# Altium PCB PCIe_to_M2E.PcbDoc (part 6 of 6) (continued)
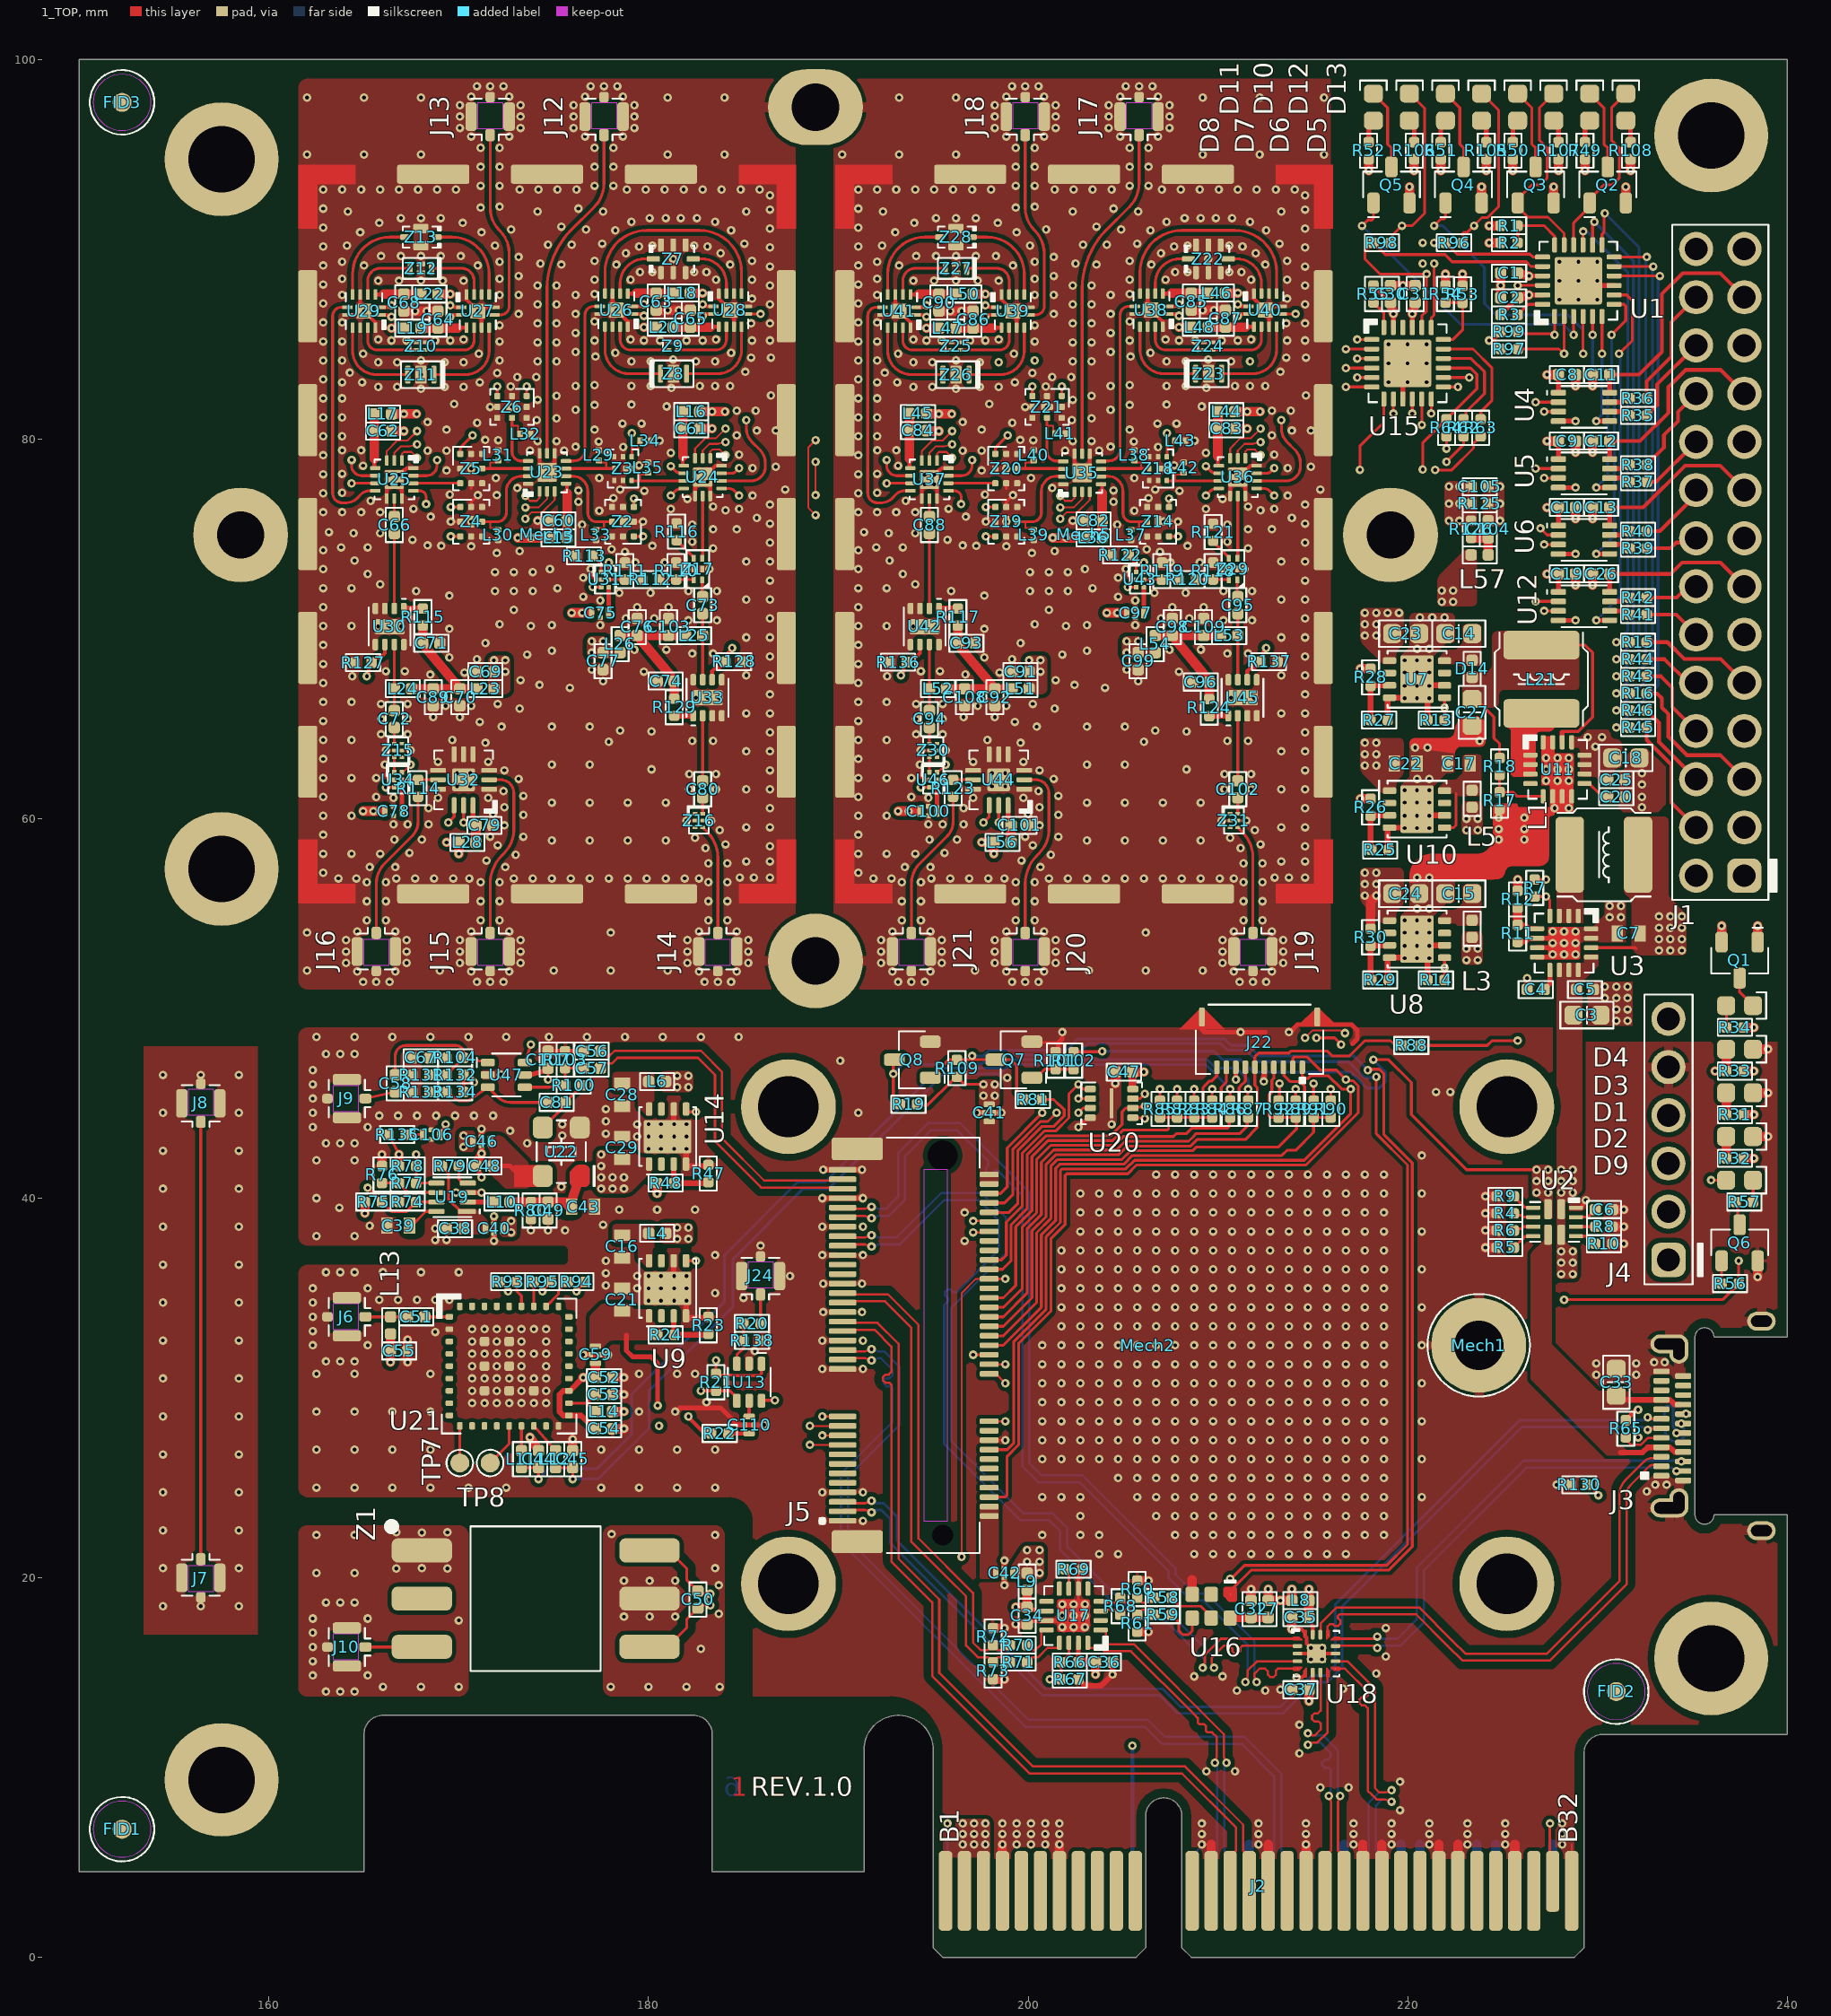
[diagram p0: 1_TOP view]
## Other copper (continued)
  pour cut-out: 210.275,84 210.125,84 ccw(c210.125,83.85) 209.975,83.85 209.975,83.05 ccw(c210.125,83.05) 210.125,82.9 210.275,82.9 ccw(c210.275,83.05) 210.425,83.05 210.425,83.85 ccw(c210.275,83.85)
  pour cut-out: 208.75,84 208.9,84 cw(c208.9,83.85) 209.05,83.85 209.05,83.05 cw(c208.9,83.05) 208.9,82.9 208.75,82.9 cw(c208.75,83.05) 208.6,83.05 208.6,83.85 cw(c208.75,83.85)
  pour cut-out: 207.535,77.7 207.535,77.95 ccw(c207.435,77.95) 207.435,78.05 207.185,78.05 ccw(c207.185,77.95) 207.085,77.95 207.085,77.7 ccw(c207.185,77.7) 207.185,77.6 207.435,77.6 ccw(c207.435,77.7)
  pour cut-out: 198.5,77.55 198.5,77.8 ccw(c198.4,77.8) 198.4,77.9 198.15,77.9 ccw(c198.15,77.8) 198.05,77.8 198.05,77.55 ccw(c198.15,77.55) 198.15,77.45 198.4,77.45 ccw(c198.4,77.55)
  pour cut-out: 199.65,78.325 199.65,78.575 ccw(c199.55,78.575) 199.55,78.675 199.3,78.675 ccw(c199.3,78.575) 199.2,78.575 199.2,78.325 ccw(c199.3,78.325) 199.3,78.225 199.55,78.225 ccw(c199.55,78.325)
  pour cut-out: 207.535,78.95 207.535,79.2 ccw(c207.435,79.2) 207.435,79.3 207.185,79.3 ccw(c207.185,79.2) 207.085,79.2 207.085,78.95 ccw(c207.185,78.95) 207.185,78.85 207.435,78.85 ccw(c207.435,78.95)
  pour cut-out: 206.615,78.325 206.615,78.575 ccw(c206.515,78.575) 206.515,78.675 206.265,78.675 ccw(c206.265,78.575) 206.165,78.575 206.165,78.325 ccw(c206.265,78.325) 206.265,78.225 206.515,78.225 ccw(c206.515,78.325)
  pour cut-out: 170.5,22.75 177.6,22.75 177.6,13.75 170.5,13.75
  text "2" at 184.167,8.5 h1
5_Signal:
  text "5" at 184.167,8.5 h1
3_Signal:
  pour cut-out: 163.35,15.8 163.35,16.9 cw(c163.5,16.9) 163.5,17.05 164.6,17.05 cw(c164.6,16.9) 164.75,16.9 164.75,16.75 ccw(c164.85,16.75) 164.85,16.65 165.3,16.65 cw(c165.3,16.5) 165.45,16.5 165.45,16.2 cw(c165.3,16.2) 165.3,16.05 164.85,16.05 ccw(c164.85,15.95) 164.75,15.95 164.75,15.8 cw(c164.6,15.8) 164.6,15.65 163.5,15.65 cw(c163.5,15.8)
  pour cut-out: 163.35,33.2 163.35,34.3 cw(c163.5,34.3) 163.5,34.45 164.6,34.45 cw(c164.6,34.3) 164.75,34.3 164.75,34.15 ccw(c164.85,34.15) 164.85,34.05 165.3,34.05 cw(c165.3,33.9) 165.45,33.9 165.45,33.6 cw(c165.3,33.6) 165.3,33.45 164.85,33.45 ccw(c164.85,33.35) 164.75,33.35 164.75,33.2 cw(c164.6,33.2) 164.6,33.05 163.5,33.05 cw(c163.5,33.2)
  pour cut-out: 163.35,44.7 163.35,45.8 cw(c163.5,45.8) 163.5,45.95 164.6,45.95 cw(c164.6,45.8) 164.75,45.8 164.75,45.65 ccw(c164.85,45.65) 164.85,45.55 165.3,45.55 cw(c165.3,45.4) 165.45,45.4 165.45,45.1 cw(c165.3,45.1) 165.3,44.95 164.85,44.95 ccw(c164.85,44.85) 164.75,44.85 164.75,44.7 cw(c164.6,44.7) 164.6,44.55 163.5,44.55 cw(c163.5,44.7)
  pour cut-out: 182.65,70 183.05,70 cw(c183.05,69.85) 183.2,69.85 183.2,69.45 cw(c183.05,69.45) 183.05,69.3 182.65,69.3 cw(c182.65,69.45) 182.5,69.45 182.5,69.85 cw(c182.65,69.85)
  pour cut-out: 166.4,67.2 166.8,67.2 cw(c166.8,67.05) 166.95,67.05 166.95,66.65 cw(c166.8,66.65) 166.8,66.5 166.4,66.5 cw(c166.4,66.65) 166.25,66.65 166.25,67.05 cw(c166.4,67.05)
  pour cut-out: 206.5,75.525 206.5,75.775 ccw(c206.4,75.775) 206.4,75.875 206.15,75.875 ccw(c206.15,75.775) 206.05,75.775 206.05,75.525 ccw(c206.15,75.525) 206.15,75.425 206.4,75.425 ccw(c206.4,75.525)
  pour cut-out: 206.615,78.325 206.615,78.575 ccw(c206.515,78.575) 206.515,78.675 206.265,78.675 ccw(c206.265,78.575) 206.165,78.575 206.165,78.325 ccw(c206.265,78.325) 206.265,78.225 206.515,78.225 ccw(c206.515,78.325)
  pour cut-out: 210.85,70 211.25,70 cw(c211.25,69.85) 211.4,69.85 211.4,69.45 cw(c211.25,69.45) 211.25,69.3 210.85,69.3 cw(c210.85,69.45) 210.7,69.45 210.7,69.85 cw(c210.85,69.85)
  pour cut-out: 194.6,67.2 195,67.2 cw(c195,67.05) 195.15,67.05 195.15,66.65 cw(c195,66.65) 195,66.5 194.6,66.5 cw(c194.6,66.65) 194.45,66.65 194.45,67.05 cw(c194.6,67.05)
  pour cut-out: 210.275,84 210.125,84 ccw(c210.125,83.85) 209.975,83.85 209.975,83.05 ccw(c210.125,83.05) 210.125,82.9 210.275,82.9 ccw(c210.275,83.05) 210.425,83.05 210.425,83.85 ccw(c210.275,83.85)
  pour cut-out: 208.75,84 208.9,84 cw(c208.9,83.85) 209.05,83.85 209.05,83.05 cw(c208.9,83.05) 208.9,82.9 208.75,82.9 cw(c208.75,83.05) 208.6,83.05 208.6,83.85 cw(c208.75,83.85)
  pour cut-out: 195.437,83.95 195.588,83.95 cw(c195.588,83.8) 195.738,83.8 195.738,83 cw(c195.588,83) 195.587,82.85 195.437,82.85 cw(c195.437,83) 195.287,83 195.287,83.8 cw(c195.437,83.8)
  pour cut-out: 196.962,83.95 196.812,83.95 ccw(c196.812,83.8) 196.662,83.8 196.662,83 ccw(c196.812,83) 196.812,82.85 196.962,82.85 ccw(c196.962,83) 197.112,83 197.112,83.8 ccw(c196.963,83.8)
  pour cut-out: 208.15,89.75 208.75,89.75 cw(c208.75,89.6) 208.9,89.6 208.9,89.4 cw(c208.75,89.4) 208.75,89.25 208.15,89.25 cw(c208.15,89.4) 208,89.4 208,89.6 cw(c208.15,89.6)
  pour cut-out: 210.85,89.75 210.25,89.75 ccw(c210.25,89.6) 210.1,89.6 210.1,89.4 ccw(c210.25,89.4) 210.25,89.25 210.85,89.25 ccw(c210.85,89.4) 211,89.4 211,89.6 ccw(c210.85,89.6)
  pour cut-out: 195.15,90.9 195.55,90.9 cw(c195.55,90.75) 195.7,90.75 195.7,90.55 cw(c195.55,90.55) 195.55,90.4 195.15,90.4 cw(c195.15,90.55) 195,90.55 195,90.75 cw(c195.15,90.75)
  pour cut-out: 197.25,90.9 196.85,90.9 ccw(c196.85,90.75) 196.7,90.75 196.7,90.55 ccw(c196.85,90.55) 196.85,90.4 197.25,90.4 ccw(c197.25,90.55) 197.4,90.55 197.4,90.75 ccw(c197.25,90.75)
  pour cut-out: 196.85,88.55 196.675,88.55 cw(c196.675,88.7) 196.525,88.7 196.525,89.3 cw(c196.675,89.3) 196.675,89.45 196.85,89.45 cw(c196.85,89.3) 197,89.3 197,88.7 cw(c196.85,88.7)
  pour cut-out: 195.55,88.55 195.725,88.55 ccw(c195.725,88.7) 195.875,88.7 195.875,89.3 ccw(c195.725,89.3) 195.725,89.45 195.55,89.45 ccw(c195.55,89.3) 195.4,89.3 195.4,88.7 ccw(c195.55,88.7)
  pour cut-out: 200.45,82.15 200.45,82.4 ccw(c200.35,82.4) 200.35,82.5 200.1,82.5 ccw(c200.1,82.4) 200,82.4 200,82.15 ccw(c200.1,82.15) 200.1,82.05 200.35,82.05 ccw(c200.35,82.15)
  pour cut-out: 202,82.15 202,82.4 ccw(c201.9,82.4) 201.9,82.5 201.65,82.5 ccw(c201.65,82.4) 201.55,82.4 201.55,82.15 ccw(c201.65,82.15) 201.65,82.05 201.9,82.05 ccw(c201.9,82.15)
  pour cut-out: 201.225,81 201.225,81.25 ccw(c201.125,81.25) 201.125,81.35 200.875,81.35 ccw(c200.875,81.25) 200.775,81.25 200.775,81 ccw(c200.875,81) 200.875,80.9 201.125,80.9 ccw(c201.125,81)
  pour cut-out: 198.5,79.1 198.5,79.35 ccw(c198.4,79.35) 198.4,79.45 198.15,79.45 ccw(c198.15,79.35) 198.05,79.35 198.05,79.1 ccw(c198.15,79.1) 198.15,79 198.4,79 ccw(c198.4,79.1)
  pour cut-out: 199.65,78.325 199.65,78.575 ccw(c199.55,78.575) 199.55,78.675 199.3,78.675 ccw(c199.3,78.575) 199.2,78.575 199.2,78.325 ccw(c199.3,78.325) 199.3,78.225 199.55,78.225 ccw(c199.55,78.325)
  pour cut-out: 198.5,77.55 198.5,77.8 ccw(c198.4,77.8) 198.4,77.9 198.15,77.9 ccw(c198.15,77.8) 198.05,77.8 198.05,77.55 ccw(c198.15,77.55) 198.15,77.45 198.4,77.45 ccw(c198.4,77.55)
  pour cut-out: 199.65,75.525 199.65,75.775 ccw(c199.55,75.775) 199.55,75.875 199.3,75.875 ccw(c199.3,75.775) 199.2,75.775 199.2,75.525 ccw(c199.3,75.525) 199.3,75.425 199.55,75.425 ccw(c199.55,75.525)
  pour cut-out: 198.5,76.3 198.5,76.55 ccw(c198.4,76.55) 198.4,76.65 198.15,76.65 ccw(c198.15,76.55) 198.05,76.55 198.05,76.3 ccw(c198.15,76.3) 198.15,76.2 198.4,76.2 ccw(c198.4,76.3)
  pour cut-out: 198.5,74.75 198.5,75 ccw(c198.4,75) 198.4,75.1 198.15,75.1 ccw(c198.15,75) 198.05,75 198.05,74.75 ccw(c198.15,74.75) 198.15,74.65 198.4,74.65 ccw(c198.4,74.75)
  pour cut-out: 207.65,74.75 207.65,75 ccw(c207.55,75) 207.55,75.1 207.3,75.1 ccw(c207.3,75) 207.2,75 207.2,74.75 ccw(c207.3,74.75) 207.3,74.65 207.55,74.65 ccw(c207.55,74.75)
  pour cut-out: 207.65,76.3 207.65,76.55 ccw(c207.55,76.55) 207.55,76.65 207.3,76.65 ccw(c207.3,76.55) 207.2,76.55 207.2,76.3 ccw(c207.3,76.3) 207.3,76.2 207.55,76.2 ccw(c207.55,76.3)
  pour cut-out: 207.535,77.7 207.535,77.95 ccw(c207.435,77.95) 207.435,78.05 207.185,78.05 ccw(c207.185,77.95) 207.085,77.95 207.085,77.7 ccw(c207.185,77.7) 207.185,77.6 207.435,77.6 ccw(c207.435,77.7)
  pour cut-out: 207.535,78.95 207.535,79.2 ccw(c207.435,79.2) 207.435,79.3 207.185,79.3 ccw(c207.185,79.2) 207.085,79.2 207.085,78.95 ccw(c207.185,78.95) 207.185,78.85 207.435,78.85 ccw(c207.435,78.95)
  pour cut-out: 212.4,52.25 211.3,52.25 cw(c211.3,52.4) 211.15,52.4 211.15,53.5 cw(c211.3,53.5) 211.3,53.65 211.45,53.65 ccw(c211.45,53.75) 211.55,53.75 211.55,54.2 cw(c211.7,54.2) 211.7,54.35 212,54.35 cw(c212,54.2) 212.15,54.2 212.15,53.75 ccw(c212.25,53.75) 212.25,53.65 212.4,53.65 cw(c212.4,53.5) 212.55,53.5 212.55,52.4 cw(c212.4,52.4)
  pour cut-out: 200.4,52.25 199.3,52.25 cw(c199.3,52.4) 199.15,52.4 199.15,53.5 cw(c199.3,53.5) 199.3,53.65 199.45,53.65 ccw(c199.45,53.75) 199.55,53.75 199.55,54.2 cw(c199.7,54.2) 199.7,54.35 200,54.35 cw(c200,54.2) 200.15,54.2 200.15,53.75 ccw(c200.25,53.75) 200.25,53.65 200.4,53.65 cw(c200.4,53.5) 200.55,53.5 200.55,52.4 cw(c200.4,52.4)
  pour cut-out: 199.3,97.75 200.4,97.75 cw(c200.4,97.6) 200.55,97.6 200.55,96.5 cw(c200.4,96.5) 200.4,96.35 200.25,96.35 ccw(c200.25,96.25) 200.15,96.25 200.15,95.8 cw(c200,95.8) 200,95.65 199.7,95.65 cw(c199.7,95.8) 199.55,95.8 199.55,96.25 ccw(c199.45,96.25) 199.45,96.35 199.3,96.35 cw(c199.3,96.5) 199.15,96.5 199.15,97.6 cw(c199.3,97.6)
  pour cut-out: 205.3,97.75 206.4,97.75 cw(c206.4,97.6) 206.55,97.6 206.55,96.5 cw(c206.4,96.5) 206.4,96.35 206.25,96.35 ccw(c206.25,96.25) 206.15,96.25 206.15,95.8 cw(c206,95.8) 206,95.65 205.7,95.65 cw(c205.7,95.8) 205.55,95.8 205.55,96.25 ccw(c205.45,96.25) 205.45,96.35 205.3,96.35 cw(c205.3,96.5) 205.15,96.5 205.15,97.6 cw(c205.3,97.6)
  pour cut-out: 210.85,72.1 211.25,72.1 cw(c211.25,71.9) 211.45,71.9 211.45,70.6 cw(c211.25,70.6) 211.25,70.4 210.85,70.4 cw(c210.85,70.6) 210.65,70.6 210.65,71.9 cw(c210.85,71.9)
  pour cut-out: 206.9,72.95 209.9,72.95 cw(c209.9,72.75) 210.1,72.75 210.1,72.45 cw(c209.9,72.45) 209.9,72.25 206.9,72.25 cw(c206.9,72.45) 206.7,72.45 206.7,72.75 cw(c206.9,72.75)
  pour cut-out: 211.25,60.7 210.85,60.7 cw(c210.85,60.9) 210.65,60.9 210.65,62.2 cw(c210.85,62.2) 210.85,62.4 211.25,62.4 cw(c211.25,62.2) 211.45,62.2 211.45,60.9 cw(c211.25,60.9)
  pour cut-out: 194.6,76.325 195,76.325 cw(c195,76.125) 195.2,76.125 195.2,74.825 cw(c195,74.825) 195,74.625 194.6,74.625 cw(c194.6,74.825) 194.4,74.825 194.4,76.125 cw(c194.6,76.125)
  pour cut-out: 195.95,62.4 196.35,62.4 cw(c196.35,62.25) 196.5,62.25 196.5,61.85 cw(c196.35,61.85) 196.35,61.7 195.95,61.7 cw(c195.95,61.85) 195.8,61.85 195.8,62.25 cw(c195.95,62.25)
  pour cut-out: 195,64.425 194.6,64.425 cw(c194.6,64.625) 194.4,64.625 194.4,65.925 cw(c194.6,65.925) 194.6,66.125 195,66.125 cw(c195,65.925) 195.2,65.925 195.2,64.625 cw(c195,64.625)
  pour cut-out: 194.4,52.25 193.3,52.25 cw(c193.3,52.4) 193.15,52.4 193.15,53.5 cw(c193.3,53.5) 193.3,53.65 193.45,53.65 ccw(c193.45,53.75) 193.55,53.75 193.55,54.2 cw(c193.7,54.2) 193.7,54.35 194,54.35 cw(c194,54.2) 194.15,54.2 194.15,53.75 ccw(c194.25,53.75) 194.25,53.65 194.4,53.65 cw(c194.4,53.5) 194.55,53.5 194.55,52.4 cw(c194.4,52.4)
  pour cut-out: 166.2,52.25 165.1,52.25 cw(c165.1,52.4) 164.95,52.4 164.95,53.5 cw(c165.1,53.5) 165.1,53.65 165.25,53.65 ccw(c165.25,53.75) 165.35,53.75 165.35,54.2 cw(c165.5,54.2) 165.5,54.35 165.8,54.35 cw(c165.8,54.2) 165.95,54.2 165.95,53.75 ccw(c166.05,53.75) 166.05,53.65 166.2,53.65 cw(c166.2,53.5) 166.35,53.5 166.35,52.4 cw(c166.2,52.4)
  pour cut-out: 166.8,64.425 166.4,64.425 cw(c166.4,64.625) 166.2,64.625 166.2,65.925 cw(c166.4,65.925) 166.4,66.125 166.8,66.125 cw(c166.8,65.925) 167,65.925 167,64.625 cw(c166.8,64.625)
  pour cut-out: 167.65,62.4 168.05,62.4 cw(c168.05,62.25) 168.2,62.25 168.2,61.85 cw(c168.05,61.85) 168.05,61.7 167.65,61.7 cw(c167.65,61.85) 167.5,61.85 167.5,62.25 cw(c167.65,62.25)
  pour cut-out: 166.4,76.325 166.8,76.325 cw(c166.8,76.125) 167,76.125 167,74.825 cw(c166.8,74.825) 166.8,74.625 166.4,74.625 cw(c166.4,74.825) 166.2,74.825 166.2,76.125 cw(c166.4,76.125)
  pour cut-out: 183.05,60.7 182.65,60.7 cw(c182.65,60.9) 182.45,60.9 182.45,62.2 cw(c182.65,62.2) 182.65,62.4 183.05,62.4 cw(c183.05,62.2) 183.25,62.2 183.25,60.9 cw(c183.05,60.9)
  pour cut-out: 178.6,72.95 181.6,72.95 cw(c181.6,72.75) 181.8,72.75 181.8,72.45 cw(c181.6,72.45) 181.6,72.25 178.6,72.25 cw(c178.6,72.45) 178.4,72.45 178.4,72.75 cw(c178.6,72.75)
  pour cut-out: 182.65,72.1 183.05,72.1 cw(c183.05,71.9) 183.25,71.9 183.25,70.6 cw(c183.05,70.6) 183.05,70.4 182.65,70.4 cw(c182.65,70.6) 182.45,70.6 182.45,71.9 cw(c182.65,71.9)
  pour cut-out: 177.1,97.75 178.2,97.75 cw(c178.2,97.6) 178.35,97.6 178.35,96.5 cw(c178.2,96.5) 178.2,96.35 178.05,96.35 ccw(c178.05,96.25) 177.95,96.25 177.95,95.8 cw(c177.8,95.8) 177.8,95.65 177.5,95.65 cw(c177.5,95.8) 177.35,95.8 177.35,96.25 ccw(c177.25,96.25) 177.25,96.35 177.1,96.35 cw(c177.1,96.5) 176.95,96.5 176.95,97.6 cw(c177.1,97.6)
  pour cut-out: 171.1,97.75 172.2,97.75 cw(c172.2,97.6) 172.35,97.6 172.35,96.5 cw(c172.2,96.5) 172.2,96.35 172.05,96.35 ccw(c172.05,96.25) 171.95,96.25 171.95,95.8 cw(c171.8,95.8) 171.8,95.65 171.5,95.65 cw(c171.5,95.8) 171.35,95.8 171.35,96.25 ccw(c171.25,96.25) 171.25,96.35 171.1,96.35 cw(c171.1,96.5) 170.95,96.5 170.95,97.6 cw(c171.1,97.6)
  pour cut-out: 172.2,52.25 171.1,52.25 cw(c171.1,52.4) 170.95,52.4 170.95,53.5 cw(c171.1,53.5) 171.1,53.65 171.25,53.65 ccw(c171.25,53.75) 171.35,53.75 171.35,54.2 cw(c171.5,54.2) 171.5,54.35 171.8,54.35 cw(c171.8,54.2) 171.95,54.2 171.95,53.75 ccw(c172.05,53.75) 172.05,53.65 172.2,53.65 cw(c172.2,53.5) 172.35,53.5 172.35,52.4 cw(c172.2,52.4)
  pour cut-out: 184.2,52.25 183.1,52.25 cw(c183.1,52.4) 182.95,52.4 182.95,53.5 cw(c183.1,53.5) 183.1,53.65 183.25,53.65 ccw(c183.25,53.75) 183.35,53.75 183.35,54.2 cw(c183.5,54.2) 183.5,54.35 183.8,54.35 cw(c183.8,54.2) 183.95,54.2 183.95,53.75 ccw(c184.05,53.75) 184.05,53.65 184.2,53.65 cw(c184.2,53.5) 184.35,53.5 184.35,52.4 cw(c184.2,52.4)
  pour cut-out: 178.415,78.325 178.415,78.575 ccw(c178.315,78.575) 178.315,78.675 178.065,78.675 ccw(c178.065,78.575) 177.965,78.575 177.965,78.325 ccw(c178.065,78.325) 178.065,78.225 178.315,78.225 ccw(c178.315,78.325)
  pour cut-out: 179.335,78.95 179.335,79.2 ccw(c179.235,79.2) 179.235,79.3 178.985,79.3 ccw(c178.985,79.2) 178.885,79.2 178.885,78.95 ccw(c178.985,78.95) 178.985,78.85 179.235,78.85 ccw(c179.235,78.95)
  pour cut-out: 179.335,77.7 179.335,77.95 ccw(c179.235,77.95) 179.235,78.05 178.985,78.05 ccw(c178.985,77.95) 178.885,77.95 178.885,77.7 ccw(c178.985,77.7) 178.985,77.6 179.235,77.6 ccw(c179.235,77.7)
  pour cut-out: 179.45,76.3 179.45,76.55 ccw(c179.35,76.55) 179.35,76.65 179.1,76.65 ccw(c179.1,76.55) 179,76.55 179,76.3 ccw(c179.1,76.3) 179.1,76.2 179.35,76.2 ccw(c179.35,76.3)
  pour cut-out: 178.3,75.525 178.3,75.775 ccw(c178.2,75.775) 178.2,75.875 177.95,75.875 ccw(c177.95,75.775) 177.85,75.775 177.85,75.525 ccw(c177.95,75.525) 177.95,75.425 178.2,75.425 ccw(c178.2,75.525)
  pour cut-out: 179.45,74.75 179.45,75 ccw(c179.35,75) 179.35,75.1 179.1,75.1 ccw(c179.1,75) 179,75 179,74.75 ccw(c179.1,74.75) 179.1,74.65 179.35,74.65 ccw(c179.35,74.75)
  pour cut-out: 170.3,74.75 170.3,75 ccw(c170.2,75) 170.2,75.1 169.95,75.1 ccw(c169.95,75) 169.85,75 169.85,74.75 ccw(c169.95,74.75) 169.95,74.65 170.2,74.65 ccw(c170.2,74.75)
  pour cut-out: 170.3,76.3 170.3,76.55 ccw(c170.2,76.55) 170.2,76.65 169.95,76.65 ccw(c169.95,76.55) 169.85,76.55 169.85,76.3 ccw(c169.95,76.3) 169.95,76.2 170.2,76.2 ccw(c170.2,76.3)
  pour cut-out: 171.45,75.525 171.45,75.775 ccw(c171.35,75.775) 171.35,75.875 171.1,75.875 ccw(c171.1,75.775) 171,75.775 171,75.525 ccw(c171.1,75.525) 171.1,75.425 171.35,75.425 ccw(c171.35,75.525)
  pour cut-out: 170.3,77.55 170.3,77.8 ccw(c170.2,77.8) 170.2,77.9 169.95,77.9 ccw(c169.95,77.8) 169.85,77.8 169.85,77.55 ccw(c169.95,77.55) 169.95,77.45 170.2,77.45 ccw(c170.2,77.55)
  pour cut-out: 171.45,78.325 171.45,78.575 ccw(c171.35,78.575) 171.35,78.675 171.1,78.675 ccw(c171.1,78.575) 171,78.575 171,78.325 ccw(c171.1,78.325) 171.1,78.225 171.35,78.225 ccw(c171.35,78.325)
  pour cut-out: 170.3,79.1 170.3,79.35 ccw(c170.2,79.35) 170.2,79.45 169.95,79.45 ccw(c169.95,79.35) 169.85,79.35 169.85,79.1 ccw(c169.95,79.1) 169.95,79 170.2,79 ccw(c170.2,79.1)
  pour cut-out: 173.025,81 173.025,81.25 ccw(c172.925,81.25) 172.925,81.35 172.675,81.35 ccw(c172.675,81.25) 172.575,81.25 172.575,81 ccw(c172.675,81) 172.675,80.9 172.925,80.9 ccw(c172.925,81)
  pour cut-out: 173.8,82.15 173.8,82.4 ccw(c173.7,82.4) 173.7,82.5 173.45,82.5 ccw(c173.45,82.4) 173.35,82.4 173.35,82.15 ccw(c173.45,82.15) 173.45,82.05 173.7,82.05 ccw(c173.7,82.15)
  pour cut-out: 172.25,82.15 172.25,82.4 ccw(c172.15,82.4) 172.15,82.5 171.9,82.5 ccw(c171.9,82.4) 171.8,82.4 171.8,82.15 ccw(c171.9,82.15) 171.9,82.05 172.15,82.05 ccw(c172.15,82.15)
  pour cut-out: 167.35,88.55 167.525,88.55 ccw(c167.525,88.7) 167.675,88.7 167.675,89.3 ccw(c167.525,89.3) 167.525,89.45 167.35,89.45 ccw(c167.35,89.3) 167.2,89.3 167.2,88.7 ccw(c167.35,88.7)
  pour cut-out: 168.65,88.55 168.475,88.55 cw(c168.475,88.7) 168.325,88.7 168.325,89.3 cw(c168.475,89.3) 168.475,89.45 168.65,89.45 cw(c168.65,89.3) 168.8,89.3 168.8,88.7 cw(c168.65,88.7)
  pour cut-out: 169.05,90.9 168.65,90.9 ccw(c168.65,90.75) 168.5,90.75 168.5,90.55 ccw(c168.65,90.55) 168.65,90.4 169.05,90.4 ccw(c169.05,90.55) 169.2,90.55 169.2,90.75 ccw(c169.05,90.75)
  pour cut-out: 166.95,90.9 167.35,90.9 cw(c167.35,90.75) 167.5,90.75 167.5,90.55 cw(c167.35,90.55) 167.35,90.4 166.95,90.4 cw(c166.95,90.55) 166.8,90.55 166.8,90.75 cw(c166.95,90.75)
  pour cut-out: 182.65,89.75 182.05,89.75 ccw(c182.05,89.6) 181.9,89.6 181.9,89.4 ccw(c182.05,89.4) 182.05,89.25 182.65,89.25 ccw(c182.65,89.4) 182.8,89.4 182.8,89.6 ccw(c182.65,89.6)
  pour cut-out: 179.95,89.75 180.55,89.75 cw(c180.55,89.6) 180.7,89.6 180.7,89.4 cw(c180.55,89.4) 180.55,89.25 179.95,89.25 cw(c179.95,89.4) 179.8,89.4 179.8,89.6 cw(c179.95,89.6)
  pour cut-out: 168.762,83.95 168.612,83.95 ccw(c168.612,83.8) 168.462,83.8 168.462,83 ccw(c168.612,83) 168.612,82.85 168.762,82.85 ccw(c168.762,83) 168.912,83 168.912,83.8 ccw(c168.763,83.8)
  pour cut-out: 167.237,83.95 167.388,83.95 cw(c167.388,83.8) 167.538,83.8 167.538,83 cw(c167.388,83) 167.387,82.85 167.237,82.85 cw(c167.237,83) 167.087,83 167.087,83.8 cw(c167.237,83.8)
  pour cut-out: 180.55,84 180.7,84 cw(c180.7,83.85) 180.85,83.85 180.85,83.05 cw(c180.7,83.05) 180.7,82.9 180.55,82.9 cw(c180.55,83.05) 180.4,83.05 180.4,83.85 cw(c180.55,83.85)
  pour cut-out: 182.075,84 181.925,84 ccw(c181.925,83.85) 181.775,83.85 181.775,83.05 ccw(c181.925,83.05) 181.925,82.9 182.075,82.9 ccw(c182.075,83.05) 182.225,83.05 182.225,83.85 ccw(c182.075,83.85)
  pour cut-out: 170.5,22.75 177.6,22.75 177.6,13.75 170.5,13.75
  text "3" at 184.167,8.5 h1
4_GND:
  rectangle net VCC5P0: 215.05,55.45 219.3,57.8
  text "4" at 184.167,8.5 h1
6_BOTTOM:
  text "6" at 184.833,8.5 h1
Multi-Layer:
  pour cut-out: 161.55,51 161.55,49 213.7,49 ccw(c213.7,49.55) 214.25,49.55 214.25,50.5 ccw(c213.75,50.5) 213.75,51
  pour cut-out: 161.55,24.25 180.9,24.25 cw(c180.9,23.9) 181.25,23.9 181.25,23.1 cw(c180.9,23.1) 180.9,22.75 161.55,22.75
  pour cut-out: 161.55,37.5 175.5,37.5 cw(c175.5,37.25) 175.75,37.25 175.75,36.75 cw(c175.5,36.75) 175.5,36.5 161.55,36.5

## Silkscreen, mask and mechanical layers (free items; w line width, h text height)
Top Overlay:
  text "REV.1.0" at 185.403,8.5 h1
Top Solder:
  drawing of 83 lines, arcs and shapes, not listed
Bottom Solder:
  region: 200.55,26.2 200.55,32.45 200.55,43.55 220.95,43.55 220.95,24.1 217.5,20.65 209.05,20.65 203.7,26 200.75,26
Board:
  lines w0.25: 191.35,4.5 191.35,10.925 cw(c193.175,10.925) 195,10.925 195,0.5 195.5,0 205.7,0 206.2,0.5 206.2,7.45 cw(c207.15,7.45) 208.1,7.45 208.1,0.5 208.6,0 228.8,0 229.3,0.5 229.3,10.75 cw(c230.3,10.75) 230.3,11.75 240,11.75 240,23.325 236.15,23.325 cw(c235.65,23.325) 235.15,23.325 235.15,32.675 cw(c235.65,32.675) 236.15,32.675 240,32.675 240,100 150,100 150,4.5 165,4.5 165,11.75 cw(c166,11.75) 166,12.75 182.35,12.75 cw(c182.35,11.75) 183.35,11.75 183.35,4.5 191.35,4.5 ; 191.35,4.5 191.35,4.5
Drill Drawing:
  drawing of 672 lines, arcs and shapes, not listed
  text "Symbol" at 338.5,103.75 h1.8
  text "Hole Size" at 349.78,103.75 h1.8
  text "Hole Type" at 374.611,103.75 h1.8
  text "Plated" at 389.181,103.75 h1.8
  text "Count" at 398.944,103.75 h1.8
  text "1." at 256.05,100.875 h1.5
  text "Used material - S1000H" at 260.05,100.839 h1.5
  text "0.200mm (7.87mil)" at 349.78,100 h1.5
  text "Round" at 374.611,100 h1.5
  text "PTH" at 389.181,100 h1.5
  text "2680" at 398.944,100 h1.5
  text "Number of layers - 6" at 260.05,97.125 h1.5
  text "2." at 256.05,96.875 h1.5
  text "0.600mm (23.62mil)" at 349.78,96.25 h1.5
  text "Slot" at 374.611,96.25 h1.5
  text "PTH" at 389.181,96.25 h1.5
  text "2" at 398.944,96.25 h1.5
  text "Board thickness - 1.6mm +/-10%" at 260.05,92.947 h1.5
  text "3." at 256.05,92.875 h1.5
  text "0.600mm (23.62mil)" at 349.78,92.5 h1.5
  text "Slot" at 374.611,92.5 h1.5
  text "PTH" at 389.181,92.5 h1.5
  text "2" at 398.944,92.5 h1.5
  text "Thickness of outer layer (Cu) - 43um include copper plating" at 260.05,88.982 h1.5
  text "4." at 256.05,88.875 h1.5
  text "0.600mm (23.62mil)" at 349.78,88.75 h1.5
  text "Slot" at 374.611,88.75 h1.5
  text "PTH" at 389.181,88.75 h1.5
  text "2" at 398.944,88.75 h1.5
  text "Thickness of inner layers (Cu) - 18um" at 260.05,84.982 h1.5
  text "1.100mm (43.31mil)" at 349.78,85 h1.5
  text "Round" at 374.611,85 h1.5
  text "NPTH" at 389.181,85 h1.5
  text "1" at 398.944,85 h1.5
  text "5." at 256.05,84.875 h1.5
  text "1.200mm (47.24mil)" at 349.78,81.25 h1.5
  text "Round" at 374.611,81.25 h1.5
  text "PTH" at 389.181,81.25 h1.5
  text "34" at 398.944,81.25 h1.5
  text "Solder Mask - Two sides, Blue" at 260.05,80.982 h1.5
  text "6." at 256.05,80.875 h1.5
  text "1.600mm (62.99mil)" at 349.78,77.5 h1.5
  text "Round" at 374.611,77.5 h1.5
  text "NPTH" at 389.181,77.5 h1.5
  text "1" at 398.944,77.5 h1.5
  text "Silkscreen - Yes, one side." at 260.05,76.982 h1.5
  text "7." at 256.05,76.875 h1.5
  text "2.500mm (98.43mil)" at 349.78,73.75 h1.5
  text "Round" at 374.611,73.75 h1.5
  text "NPTH" at 389.181,73.75 h1.5
  text "2" at 398.944,73.75 h1.5
  text "Type of coating - ENIG" at 260.05,73.089 h1.5
  text "8." at 256.05,72.875 h1.5
  text "2.500mm (98.43mil)" at 349.78,70 h1.5
  text "Round" at 374.611,70 h1.5
  text "PTH" at 389.181,70 h1.5
  text "2" at 398.944,70 h1.5
  text "Edge Connector - Hard Gold Au 0,2-0,5um/Ni 5um" at 260.05,69.089 h1.5
  text "9." at 256.05,68.875 h1.5
  text "2.600mm (102.36mil)" at 349.78,66.25 h1.5
  text "Round" at 374.611,66.25 h1.5
  text "PTH" at 389.181,66.25 h1.5
  text "1" at 398.944,66.25 h1.5
  text "Electrical Test on both side (use PCIe_to_M2_E.ipc file)" at 260.05,64.982 h1.5
  text "10." at 256.05,64.875 h1.5
  text "3.200mm (125.98mil)" at 349.78,62.5 h1.5
  text "Round" at 374.611,62.5 h1.5
  text "NPTH" at 389.181,62.5 h1.5
  text "4" at 398.944,62.5 h1.5
  text "Min dia of plated hole - 0.2mm" at 260.05,61.089 h1.5
  text "11." at 256.05,60.875 h1.5
  text "3.500mm (137.79mil)" at 349.78,58.75 h1.5
  text "Round" at 374.611,58.75 h1.5
  text "NPTH" at 389.181,58.75 h1.5
  text "5" at 398.944,58.75 h1.5
  text "Min trace width/clearance - 0.1mm/0.1mm" at 260.05,56.947 h1.5
  text "12." at 256.05,56.875 h1.5
  text "2736 Total" at 398.944,55 h1.5
  text "Impedance control - Yes, see details" at 260.05,53.089 h1.5
  text "13." at 256.05,52.875 h1.5
  text "Slot definitions :" at 338.5,51.475 h1.5
  text "Routed Path Length" at 356.746,51.475 h1.5
  text "= Calculated from tool start centre position to tool end centre position." at 378.541,51.475 h1.5
  text "Impedance tolerance - 10%" at 260.05,49.125 h1.5
  text "Hole Length" at 356.746,49.076 h1.5
  text "= Routed Path Length + Tool Size = Slot length as defined in the PCB layout" at 369.978,49.076 h1.5
  text "14." at 256.05,48.875 h1.5
  text "15." at 256.05,44.875 h1.5
  text "Board dimensions -  100mm x 90mm" at 260.05,44.839 h1.5
  text "Stack-Up" at 280.508,35.75 h2
  text "Impedance Requirement Table" at 362.044,33.3 h2
  text "Silkscreen Top" at 300.9,32.143 h1
  text "Soldermask Top" at 300.9,30.167 h1
  text "Ref. Layer" at 363.746,29.25 h1.5
  text "Trace" at 382.222,28.75 h1.5
  text "Trace" at 395.246,28.75 h1.5
  text "Ground" at 406.496,28.75 h1.5
  text "Copper Plating" at 300.9,27.893 h1
  text "Type" at 340.746,27.25 h1.5
  text "Layer" at 351.246,27.25 h1.5
  text "Impedance" at 416.246,27.25 h1.5
  text "Layer 1 (43um)" at 261.45,26.572 h1
  text "Width" at 382.246,26.5 h1.5
  text "Separation" at 393.246,26.5 h1.5
  text "Spacing" at 406.246,26.5 h1.5
  text "18 um" at 308.9,25.5 h1
  text "Copper" at 300.9,25.417 h1
  text "Upper" at 361.496,25.25 h1.5
  text "Lower" at 370.496,25.25 h1.5
  text "Prepreg" at 300.9,22.667 h1
  text "S1000HB 3313 (57) - 100um" at 308.9,22.572 h1
  text "Single" at 340.254,21.964 h1.5
  text "-" at 363.482,21.857 h1.5
  text "-" at 397.607,21.857 h1.5
  text "1" at 353.821,21.75 h1.5
  text "2" at 372.875,21.75 h1.5
  text "0.150" at 382.129,21.75 h1.5
  text "0.200" at 407.261,21.75 h1.5
  text "50 Ohm" at 417.329,21.75 h1.5
  text "Layer 2 (18um)" at 261.7,21.072 h1
  text "Core" at 300.9,19.5 h1
  text "S1000H 2x2116 - 240um" at 308.9,19.5 h1
  text "Single" at 340.254,18.964 h1.5
  text "-" at 397.607,18.857 h1.5
  text "5" at 353.5,18.75 h1.5
  text "6" at 363.661,18.75 h1.5
  text "4" at 372.839,18.75 h1.5
  text "0.100" at 382.129,18.75 h1.5
  text "0.200" at 407.261,18.75 h1.5
  text "50 Ohm" at 417.329,18.75 h1.5
  text "Layer 3 (18um)" at 261.7,18.072 h1
  text "Prepreg" at 300.9,16.167 h1
  text "S1000HB 7628 (48) - 205um" at 308.9,16.072 h1
  text "-" at 363.482,15.857 h1.5
  text "-" at 409.357,15.857 h1.5
  text "6" at 353.536,15.75 h1.5
  text "5" at 372.875,15.75 h1.5
  text "0.140" at 382.129,15.75 h1.5
  text "0.200" at 395.511,15.75 h1.5
  text "90 Ohm" at 417.329,15.75 h1.5
  text "Differential" at 337.855,15.714 h1.5
  text "Core" at 300.9,14 h1
  text "S1000H 2x7628 - 400um" at 308.9,14 h1
  text "-" at 363.482,12.857 h1.5
  text "-" at 409.357,12.857 h1.5
  text "1" at 353.821,12.75 h1.5
  text "2" at 372.875,12.75 h1.5
  text "0.120" at 382.129,12.75 h1.5
  text "0.250" at 395.511,12.75 h1.5
  text "100 Ohm" at 416.78,12.75 h1.5
  text "Differential" at 337.855,12.714 h1.5
  text "Prepreg" at 300.899,12.167 h1
  text "S1000HB 7628 (48) - 205um" at 308.899,12.072 h1
  text "5ш" at 249.15,11.15 h0.75 r90
  text "+" at 249,10.483 h0.5 r90
  text "-" at 249.35,10.483 h0.5 r90
  text "Layer 4 (18um)" at 261.7,10.072 h1
  text "-" at 363.482,9.857 h1.5
  text "-" at 409.357,9.857 h1.5
  text "6" at 353.536,9.75 h1.5
  text "5" at 372.875,9.75 h1.5
  text "0.120" at 382.129,9.75 h1.5
  text "0.250" at 395.511,9.75 h1.5
  text "100 Ohm" at 416.78,9.75 h1.5
  text "Differential" at 337.855,9.714 h1.5
  text "20ш" at 249.2,8.7 h0.75 r90
  text "Core" at 300.9,8.5 h1
  text "S1000H 2x2116 - 240um" at 308.9,8.5 h1
  text "Layer 5 (18um)" at 261.7,7.072 h1
  text "-" at 409.357,6.857 h1.5
  text "5" at 353.5,6.75 h1.5
  text "6" at 363.661,6.75 h1.5
  text "4" at 372.839,6.75 h1.5
  text "0.100" at 382.129,6.75 h1.5
  text "0.270" at 395.511,6.75 h1.5
  text "100 Ohm" at 416.78,6.75 h1.5
  text "Differential" at 337.855,6.714 h1.5
  text "0.10 mm" at 254.075,5.738 h0.75 r90
  text "Prepreg" at 300.9,5.167 h1
  text "+" at 253.85,5.133 h0.5 r90
  text "-" at 254.2,5.133 h0.5 r90
  text "S1000HB 3313 (57) - 100um" at 308.9,5.072 h1
  text "18 um" at 308.9,3 h1
  text "Copper" at 300.9,2.917 h1
  text "1.30" at 254.075,2.4 h0.75 r90
  text "Layer 6 (43um)" at 261.595,1.572 h1
  text "Copper Plating" at 300.9,0.393 h1
  text "Soldermask Bottom" at 300.9,-2 h1

## Text inside footprints (layer, text, board x,y; h text height)
J2: Top Overlay "B1" at 196.35,6 h1 r90; Top Overlay "B32" at 228.95,6 h1 r90; Bottom Overlay "A32" at 228.95,5.95 h1 r90; Bottom Overlay "A1" at 196.35,5.95 h1 r90; Info "O" at 238.033,7.2 h0.2; Info "20" at 236.575,6.475 h0.75; Info "1.30 mm" at 239.675,-1.724 h0.75 r90; Info "1.60 mm" at 232.726,-3.625 h0.75
J3: Info "PCB Edge" at 235.15,27.063 h0.25 r90
J22: Info "FFC Edge" at 213.137,48.6 h0.25 r180